# Altium PCB DC_POWER.PcbDoc
Units mil, origin at the board's own origin, x right, y up, seen from the top; angles counter-clockwise.
Board outline 2292.98 x 1480 mil, 2 copper layers (Top Layer, Bottom Layer); 23 components, 15 nets, 51 pads, 66 vias.
Unrouted connection lines stored in the file: 7.
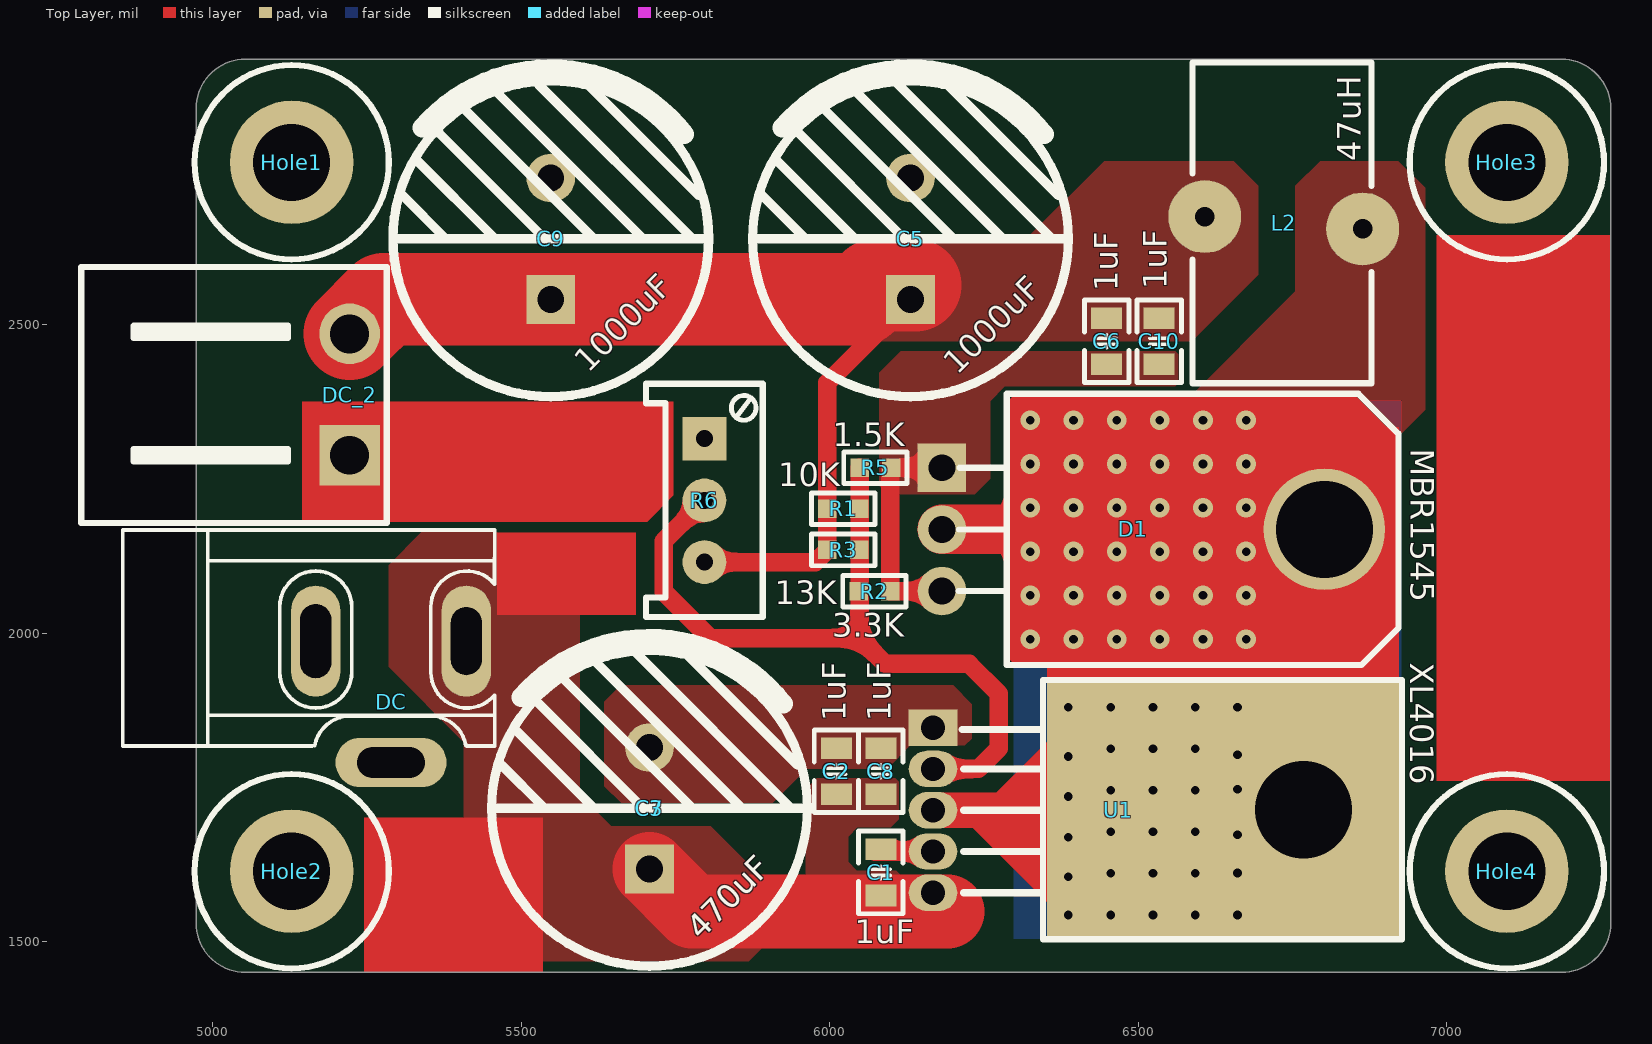
[diagram p0: Top Layer view]
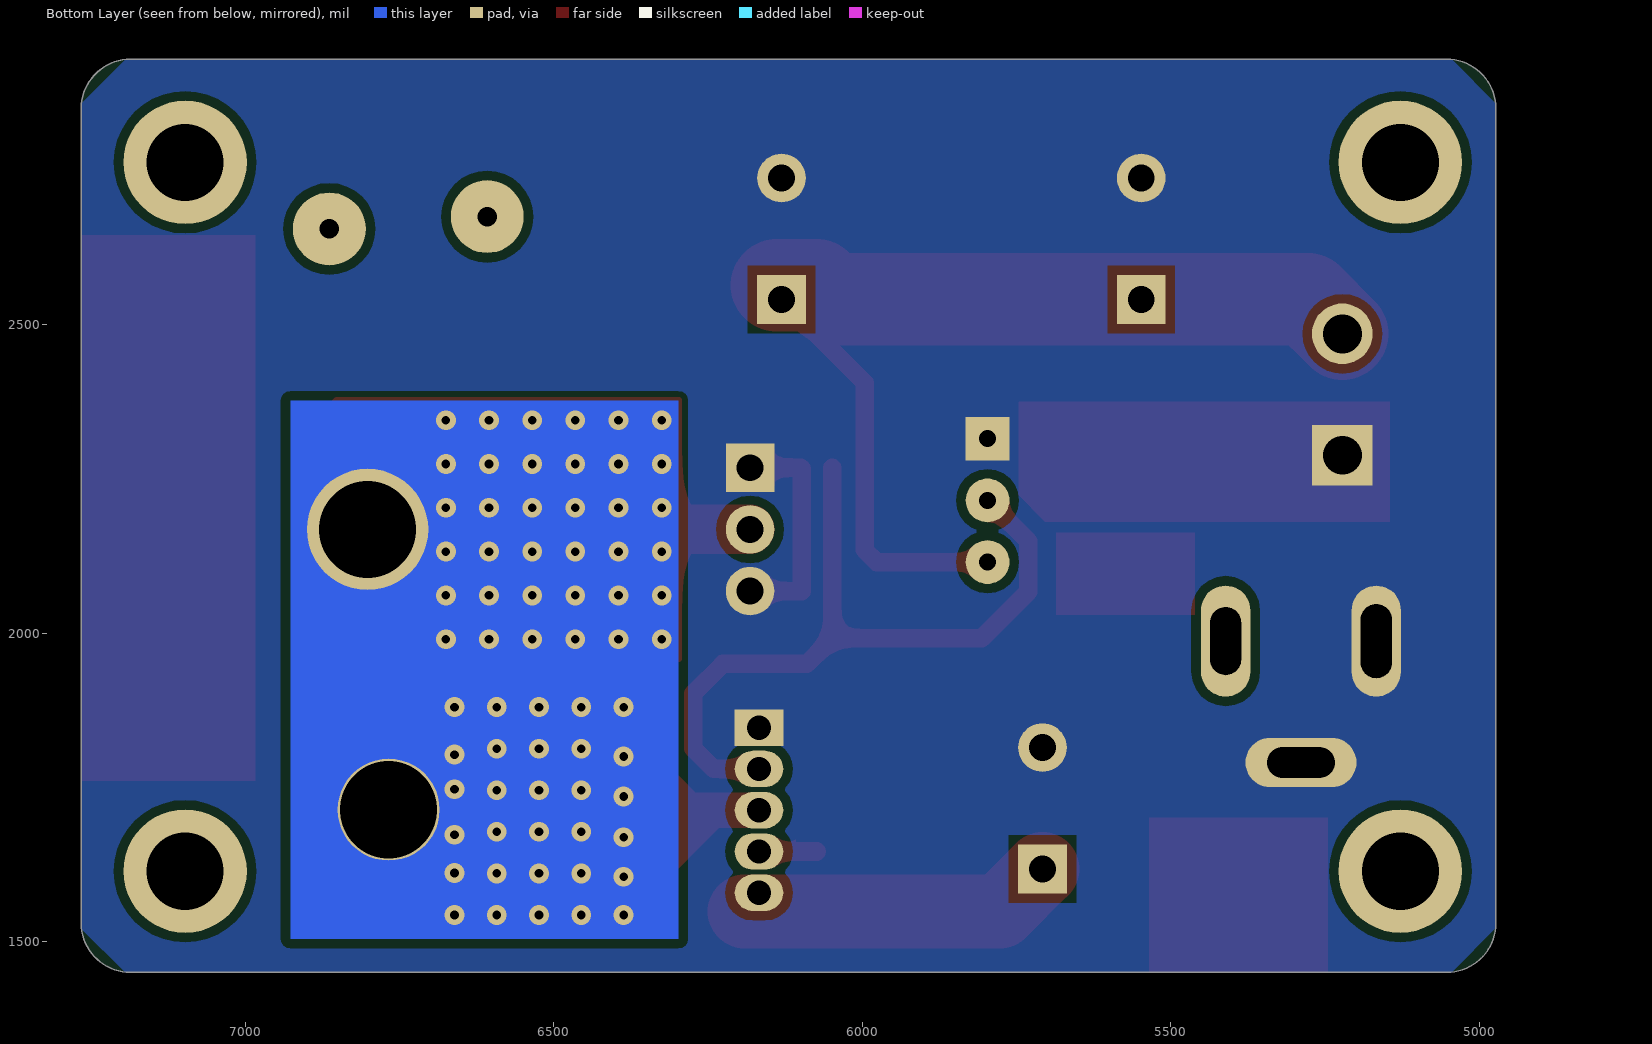
[diagram p1: Bottom Layer view, seen from below]

## Layer stack, top to bottom
Top Solder: solder mask 0.4, Solder Resist, Dk 3.5
Top Layer: signal copper 1.4
Dielectric 1: dielectric 12.6, FR-4, Dk 4.8
Bottom Layer: signal copper 1.4
Bottom Solder: solder mask 0.4, Solder Resist, Dk 3.5

## Board outline
4973.02,1530 ccw(c5053.02,1530) 5053.02,1450 7186,1450 ccw(c7186,1530) 7266,1530 7266,2850 ccw(c7186,2850) 7186,2930 5053.02,2930 ccw(c5053.02,2850) 4973.02,2850

## Design rules (kind name [scope] priority, off if disabled: settings)
Clearance [All] p1: gap=5 except(10: Track-Via; 15: Arc-Poly Track-Track Track-Poly SMDPad-Poly THPad-Poly Via-Poly Fill-Poly Poly-Poly)
DiffPairsRouting DiffPair_USBDiffPairsRouting [All] p1: maxlimit=6 minlimit=6 mostfreqgap=6 toplayer_minwidth=6 toplayer_maxwidth=6 toplayer_prefwidth=6 bottomlayer_minwidth=6 bottomlayer_maxwidth=6 bottomlayer_prefwidth=6 maxuncoupledlength=500
DiffPairsRouting [All] p2: maxlimit=10 minlimit=10 mostfreqgap=10 toplayer_minwidth=15 toplayer_maxwidth=15 toplayer_prefwidth=15 bottomlayer_minwidth=15 bottomlayer_maxwidth=15 bottomlayer_prefwidth=15 maxuncoupledlength=500
HoleToHoleClearance [All] p1: gap=5 allowstackedmicrovias=TRUE
MatchedLengths DiffPair_USBMatchedLengths [All] p1: tolerance=1000 checknetsindiffpair=FALSE checkdiffpairvsdiffpair=TRUE checkxsignals=TRUE checkothers=TRUE
MinimumSolderMaskSliver [All] p1: minsoldermaskwidth=1
PlaneConnect [All] p1: planeconnectstyle=Direct reliefexpansion=20 reliefentries=4 reliefconductorwidth=10 reliefairgap=10
PolygonConnect [All] p1: connectstyle=Direct reliefconductorwidth=10 reliefentries=4 polygonreliefangle="90 Angle" airgapwidth=10
RoutingVias [All] p1: holewidth=12 width=22 viastyle="Through Hole" minholewidth=12 minwidth=22 maxholewidth=200 maxwidth=500
SilkToSilkClearance [All] p1: silktosilkclearance=2
SilkToSolderMaskClearance [IsPad] p1: minsilkscreentomaskgap=0 clearancetoexposedcopper=TRUE
SolderMaskExpansion [All] p1: expansion=4
Width [All] p1: maxlimit=200 minlimit=6 preferedwidth=10 minimp=50.000000 maximp=50.000000 favimp=50.000000
24 further rules are at their usual default settings.

## Components (designator, comment, footprint, x,y, rotation, side; value= is the part's Value field where it differs from the comment)
C1 "1uF" "C 0805_L" 6083,1612 r90 top
C2 "1uF" "C 0805_L" 6011,1776 r90 top
C3 "470uF" "CAP 5.0*12.5*20" 5708,1716 r90 top
C5 "1000uF" "CAP 5.0*12.5*20" 6131,2639.12 r90 top
C6 "1uF" "C 0805_L" 6449,2473 r270 top
C7 "470uF" "CAP 5.0*12.5*20" 5708,1716 r90 top
C8 "1uF" "C 0805_L" 6083,1776 r90 top
C9 "1000uF" "CAP 5.0*12.5*20" 5548,2639.12 r90 top
C10 "1uF" "C 0805_L" 6534,2473 r270 top
D1 "MBR1545" TO220_B 6492,2168 r270 top
DC "POWER" DC10B 4992,1817 r0 top
DC_2 "Header 2" KF2EDGK5.0-WI-2P 5222,2386.57 r90 top
Hole1 "M3孔" M3 5128,2763 r0 top
Hole2 "M3孔" M3 5128,1614 r0 top
Hole3 "M3孔" M3 7097.7,2763 r0 top
Hole4 "M3孔" M3 7097.7,1614 r0 top
L2 "47uH" LMR135 6735.99,2655 r180 top
R1 "10K" "R 0603_L" 6022,2201.34 r0 top
R2 "3.3K" "R 0603_L" 6072.41,2068 r180 top
R3 "13K" "R 0603_L" 6022,2134.67 r0 top
R5 "1.5K" "R 0603_L" 6074,2268 r180 top
R6 "RPot" 3296W 5797,2215 r270 top
U1 "XL4016" TO220_5L 6467.7,1712.86 r270 top

## Footprints (in the part's own frame and the unit in brackets; to place one, negate y for a bottom-side part, rotate by r counter-clockwise, add the part's x,y. Pads: shape width x height; smd on the part's side, far side on the other; paste and mask are expansions set on the pad)
3296W [mm] "Precise Multi-Winding Adjustable Resistor"
  rect 1.8x1.8 hole 0.7: 1(-2.54,0)
  round 1.8 hole 0.7: 2(0,0) 3(2.54,0)
  silkscreen extent -4.8,-2.4 4.8,2.4, body extent -4.75,-2.4 4.75,2.4, height 11.52
"C 0805_L" [mil] "无极性贴片电容"
  rect 35x50 smd: 1(-37.4,0) 2(37.4,0)
  silkscreen extent -67,-36 67,36, body extent -39,-24 39,24, height 20
"CAP 5.0*12.5*20" [mm] "脚距5mm直径12.5mm高度20mm"
  rect 2x2 hole 1.1: 1(-2.5,0)
  round 2 hole 1.1: 2(2.5,0)
  silkscreen extent -6.5,-6.5 6.99,6.5, body extent -6.25,-6.25 6.26,6.25, height 20.03
DC10B [mil]
  oval 80x180 hole 50 slot 110 at 90 deg: 1(419.09,170)
  oval 80x180 hole 50 slot 120 at 90 deg: 2(175,170)
  oval 180x80 hole 50 slot 110 at 0 deg: 3(297.05,-26.85)
  silkscreen extent -138,0 465,350, body extent -131,-18 422,348, height 441
KF2EDGK5.0-WI-2P [mm] "卧插端子"
  rect 2.5x2.5 hole 1.6: 1(-2.5,0)
  round 2.5 hole 1.6: 2(2.5,0)
  silkscreen extent -5.29,-1.52 5.25,11.05, body extent -5.04,-0.5 5.04,10.8, height 8.5
LMR135 [mm] "磁环电感，外径13mm，厚度5mm"
  round 3 hole 0.8: 1(-3.25,0) 2(3.25,-0.508)
  silkscreen extent -3.61,-6.86 3.76,6.35, body extent -3.45,-6.75 3.55,6.25, height 12.5
M3 [mil]
  round 200 hole 125: 1(0,0)
  silkscreen extent -157,-157 157,157, body extent -106,-93 106,93
"R 0603_L" [mil] "1/10W贴片电阻"
  rect 30x30 smd: 1(-25.59,0) 2(25.59,0)
  silkscreen extent -51,-26 51,26, body extent -31,-16 32,16, height 16
TO220_5L [mm]
  rect 1.5x2 hole 1: 1(-3.4,-7.623)
  oval 1.5x2 hole 1: 2(-1.7,-7.623) 3(0,-7.623) 4(1.7,-7.623) 5(3.4,-7.623)
  round 4.2 hole 4: 3(-0.022,7.623)
  rect 10.5x14.5 smd: 3(0,4.315)
  silkscreen extent -5.36,-6.43 5.31,11.68, body extent -5.05,-7.85 5.05,10.48, height 4.5
TO220_B [mm]
  rect 2x2 hole 1.1: 1(-2.54,-7.874)
  round 2 hole 1.1: 2(0,-7.874) 3(2.54,-7.874)
  round 5 hole 4: 4(0,7.874)
  Top Layer region: 3.81,9.652 4.445,9.652 4.445,10.16 3.81,10.16
  Top Layer region: 4.445,9.017 5.143,9.017 5.143,9.462 4.445,9.462
  Top Layer region: -4.826,9.144 -4.572,9.144 -4.572,9.652 -4.826,9.652
  Top Layer region: -4.318,9.779 -3.81,9.779 -3.81,10.16 -4.318,10.16
  Top Layer region: -4.572,9.017 -3.81,9.017 -3.81,9.779 -4.572,9.779
  Top Layer region: 4.064,9.017 4.699,9.017 4.699,9.906 4.064,9.906
  Top Layer region: -3.81,9.017 4.064,9.017 4.064,10.668 -3.81,10.668
  Top Layer region: -5.334,-4.953 5.334,-4.953 5.334,9.144 -5.334,9.144
  Top Layer lines w0.254: -5.207,9.017 -3.81,10.414 ; -4.826,9.144 -3.81,10.16 ; 4.699,9.652 5.334,9.144 ; 3.937,10.414 4.826,9.398 5.334,9.144 ; 5.334,9.144 5.334,9.271 4.953,9.652 3.937,10.668 3.429,10.668 -3.81,10.668 -4.826,9.652 -5.334,9.144 -5.334,8.763 -5.334,-4.953 -5.08,-4.953 0,-4.953 5.334,-4.953 5.334,-4.445 5.334,4.318 5.334,4.648 5.334,9.144
  silkscreen extent -5.59,-7.19 5.59,10.92, body extent -5.15,-8.12 5.15,10.63, height 4.43

## Part data
C1 C2 C6 C8 C10: library part C, "无极性贴片电容"
C3 C5 C7 C9: library part C-CM, "贴片电解电容"
DC: library part P-DC, "低压电源接口"
DC_2: "Header, 2-Pin"
Hole1 Hole2 Hole3 Hole4: library part M3, "铜柱孔"
L2: library part L-CDRH, "功率屏蔽电感"
R1 R2 R3 R5: library part R, "贴片电阻"
R6: "Potentiometer"

## Via types
v1: diameter 32, hole 14, Top Layer to Bottom Layer, 66 vias

## Nets (pads, with @x,y where several pads share a name; then routed paths per layer and width w, separated by ;. In a path a pad name is that pad's centre, name@x,y a point inside that pad or via, vN(x,y) a via of type N, cw(c..) or ccw(c..) an arc to the next point about the centre after c; other vN are vias at no path point)
DGND: 
GND: C2.2 C3.2 C5.2 C6.2 C7.2 C8.2 C9.2 C10.2 D1.1 D1.3 DC.2 DC.3 DC_2.1 R2.1 R5.1 R6.1 U1.1 | length 367.1
  Top Layer w30: D1.3 R2.1 6098,2266.41 R5.1 D1.1
NetC1_2: C1.2 U1.4 | length 93.6
  Top Layer w30: C1.2@6074,1645.93 U1.4
NetC59_1: 
NetC73_1: 
NetC73_2: 
NetD1_2: D1.2 D1.4 L2.1 U1.3 | length 585
  Top Layer w58: U1.3@6167.57,1712.86 U1.3@6637.57,1712.86
  Top Layer w80: D1.2 6297,2168
  other v1: 6387,1543 6455.5,1543 6524,1543 6592.5,1543 6661,1543 6387,1605 6455.5,1610.4 6524,1610.4 6592.5,1610.4 6661,1611 6387,1669 6661,1673 6455.5,1677.8 6524,1677.8 6592.5,1677.8 6387,1735 6455.5,1745.2 6524,1745.2 6592.5,1745.2 6661,1747 6387,1800 6661,1803 6455.5,1812.6 6524,1812.6 6592.5,1812.6 6387,1880 6455.5,1880 6524,1880 6592.5,1880 6661,1880 6325.3,1990 6395.24,1990 6465.18,1990 6535.12,1990 6605.06,1990 6675,1990 6325.3,2061 6395.24,2061 6465.18,2061 6535.12,2061 6605.06,2061 6675,2061 6325.3,2132 6395.24,2132 6465.18,2132 6535.12,2132 6605.06,2132 6675,2132 6325.3,2203 6395.24,2203 6465.18,2203 6535.12,2203 6605.06,2203 6675,2203 6325.3,2274 6395.24,2274 6465.18,2274 6535.12,2274 6605.06,2274 6675,2274 6325.3,2345 6395.24,2345 6465.18,2345 6535.12,2345 6605.06,2345 6675,2345
NetR1_2: R1.2 R2.2 R3.2 R5.2 R6.2 U1.2 | length 1272.3
  Top Layer w30: R6.2 5731,2149 5731,2067 5806.41,1991.59 6048.41,1991.59 ; R5.2 6048.41,1991.59 ; U1.2 6240.79,1779.79 6274,1813 6274,1902 6226,1950 6090,1950 6048.41,1991.59
NetR59_2: 
NetR60_1: 
VCC: C1.1 C2.1 C3.1 C7.1 C8.1 DC.1 U1.5 | length 605
  Top Layer w30: C1.1@6074,1579 U1.5
  Top Layer w120: C7.1 5776.57,1549 6191,1549
VCC3.3: 
VCC5: 
VCC11: 
VCCOUT: C5.1 C6.1 C9.1 C10.1 DC_2.2 L2.2 R1.1 R3.1 R6.3 | length 1619
  Top Layer w30: R6.3 5976.74,2115 R3.1 R1.1 5996.41,2406.1 C5.1
  Top Layer w150: DC_2.2 5277.69,2540.69 C9.1 6050.69,2540.69 6074,2564 C5.1@6139,2564
pads on no net: Hole1.1 Hole2.1 Hole3.1 Hole4.1

## Polygon pours and split planes (outlines as drawn)
VCCOUT on Top Layer "AutoNaming" (solid, remove dead copper, pour order 72): 6183,2473 6587,2473 6695,2581 6695,2725 6655,2765 6445,2765 6319,2639 6089,2639 6034,2584 6034,2498 6059,2473
NetD1_2 on Top Layer "AutoNaming" (solid, remove dead copper, pour order 74): 6755,2725 6795,2765 6922,2765 6965,2722 6965,2362 6914,2311 6807,2311 6576,2311 6576,2375 6755,2554
GND on Top Layer "AutoNaming" (solid, remove dead copper, pour order 76): 6560,2457 6565,2452 6565,2405 6560,2400 6284,2400 6260,2376 6260,2250 6235,2225 6094,2225 6080,2239 6080,2422 6115,2457
VCC on Top Layer "AutoNaming" (solid, remove dead copper, pour order 78): 6106,1765 6112,1759 6112,1698 6099,1685 6045,1685 6030,1670 6030,1629 6044,1615 6108,1615 6126,1597 6126,1560 6111,1545 6006,1545 5961,1590 5961,1747 5979,1765
GND on Top Layer "AutoNaming" (solid, remove dead copper, pour order 80): 5963,1780 6093,1780 6131,1818 6219,1818 6230,1829 6230,1885 6200,1915 5661,1915 5635,1889 5635,1752 5662,1725 5908,1725
VCC on Top Layer "AutoNaming" (solid, remove dead copper, pour order 84): 5407,1823 5407,1506 5445,1468 5869,1468 5899,1498 5899,1595 5807,1687 5646,1687 5595,1738 5595,2029 5461,2163 5338,2163 5285,2110 5285,1945
GND on Bottom Layer "AutoNaming" (solid, remove dead copper, pour order 82): 5045,1450 7195,1450 7266,1521 7266,2858 7194,2930 5045,2930 4973.02,2858.02 4973.02,1521.98

## Other copper
Top Layer:
  rectangle net NetD1_2: 6352,1915 6923,2334
  region net NetD1_2: 6309.93,1650.93 6426,1767 6360.5,1832.5 6244.43,1716.43
  region net NetD1_2: 6352,1564 6446,1658 6319.57,1784.43 6225.57,1690.43
  rectangle net GND: 5145,2180 5704,2375
  rectangle net VCC: 5461,2029 5686,2163
  rectangle: 6984,1760 7266,2645
  rectangle net VCC: 5245,1450 5535,1701
  region net GND: 5704,2180 5747,2223 5696.5,2273.5 5653.5,2230.5
  rectangle net GND: 5704,2223 5747,2375
Bottom Layer:
  rectangle net NetD1_2: 6298,1504 6927,2377

## Silkscreen, mask and mechanical layers (free items; w line width, h text height)
Top Solder:
  rectangle: 7112,2472 7210,2523
  rectangle: 7159,2334 7257,2385
  rectangle: 7033,2542 7131,2593
  rectangle: 6992,2403 7090,2454
  lines w5: 6992,2403 7090,2403 7090,2454 6992,2454 6992,2403 ; 6992,2472 7090,2472 7090,2523 6992,2523 6992,2472 ; 7033,2334 7131,2334 7131,2385 7033,2385 7033,2334 ; 7033,2542 7131,2542 7131,2593 7033,2593 7033,2542 ; 7112,2472 7210,2472 7210,2523 7112,2523 7112,2472 ; 7113,2403 7211,2403 7211,2454 7113,2454 7113,2403 ; 7159,2334 7257,2334 7257,2385 7159,2385 7159,2334 ; 7159,2541 7159,2592 7257,2592 7257,2541 7159,2541
  text "12V/6A" at 6991,2324 h195 r270
  text "5V/8A" at 7128,2280.32 h195 r270
  text "OUT" at 5305,2243 h195
  text "DC 1.25~36V" at 5289,2185 h80
  text "IN" at 5487,2033 h195
  text "DC" at 5308,1625 h100
  text "IN" at 5316,1537 h100
  text "8~40V" at 5258,1456 h100
Mechanical 1:
  the board outline again, w5

## Dimensions
5053.02,2930 to 5053.02,1450 on Mechanical 1
4973.02,1530 to 7266,1450 on Mechanical 1